# Altium PCB praxis_top_level_pcbdoc_v3.PcbDoc (part 3 of 4)
Units mm, origin at the board's own origin, x right, y up, seen from the top; angles counter-clockwise.
Board outline 152.4 x 79.5 mm, 4 copper layers (Top Layer, Int1 (GND), Int2 (PWR), Bottom Layer), stack 1.584 mm thick; 306 components, 267 nets, 1032 pads, 529 vias.
Unrouted connection lines stored in the file: 1.
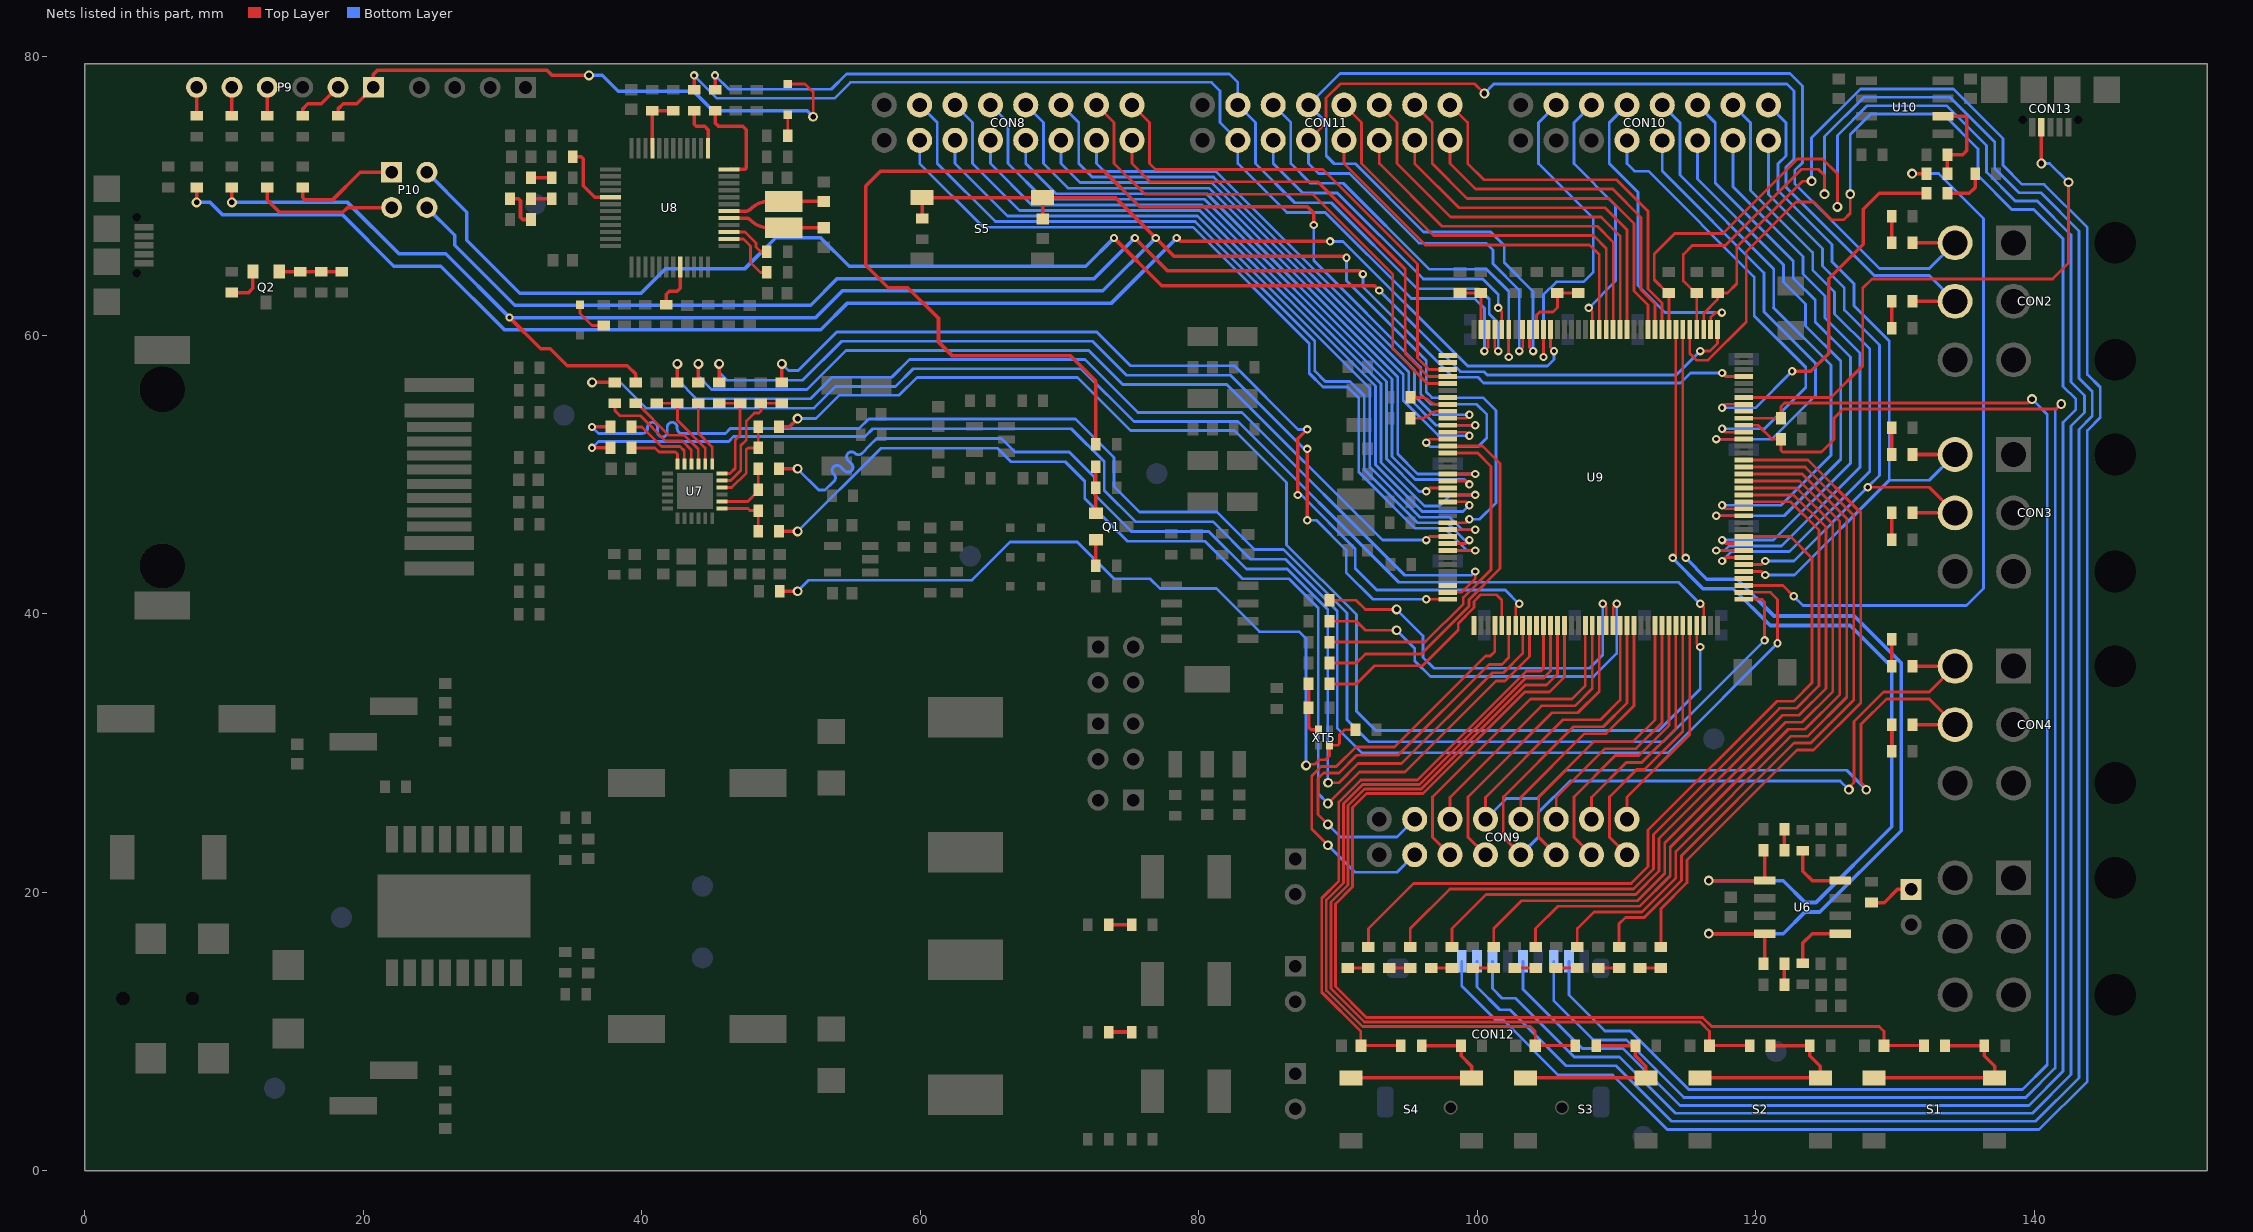
[diagram p5: the nets of this part, all layers, seen from the top]

## Via types
v1: diameter 0.711, hole 0.4, Top Layer to Bottom Layer, 169 vias
v2: diameter 0.6, hole 0.3, Top Layer to Bottom Layer, 83 vias
v3: diameter 1.27, hole 0.711, Top Layer to Bottom Layer, 68 vias
v4: diameter 0.6, hole 0.3, Top Layer to Bottom Layer, tented both sides, 50 vias
v5: diameter 1.27, hole 0.711, Top Layer to Bottom Layer, tented top, 43 vias
v6: diameter 0.9, hole 0.45, Top Layer to Bottom Layer, 39 vias
v7: diameter 0.4, hole 0.3, Top Layer to Bottom Layer, 32 vias
v8: diameter 0.6, hole 0.3, Top Layer to Bottom Layer, tented top, 17 vias
v9: diameter 0.711, hole 0.4, Top Layer to Bottom Layer, tented top, 8 vias
v10: diameter 0.711, hole 0.4, Top Layer to Bottom Layer, tented both sides, 6 vias
v11: diameter 0.5, hole 0.2, Top Layer to Bottom Layer, tented both sides, 4 vias
v12: diameter 0.5, hole 0.2, Top Layer to Bottom Layer, 4 vias
v13: diameter 5, hole 3, Top Layer to Bottom Layer, 4 vias
v14: diameter 0.711, hole 0.4, Top Layer to Bottom Layer, tented bottom, 1 vias
v15: diameter 0.9, hole 0.45, Top Layer to Bottom Layer, tented both sides, 1 vias

## Nets (pads, with @x,y where several pads share a name; then routed paths per layer and width w, separated by ;. In a path a pad name is that pad's centre, name@x,y a point inside that pad or via, vN(x,y) a via of type N, cw(c..) or ccw(c..) an arc to the next point about the centre after c; other vN are vias at no path point) (continued)
NetD9_1: D9.1 R11.1 | length 1.6
  Top Layer w0.254: D9.1@73.525,17.655 R11.1@75.17,17.655
NetD10_1: D10.1 R12.1 | length 1.6
  Top Layer w0.254: D10.1@73.525,9.95 R12.1@75.17,9.95
NetD12_2: D12.2 R20.1 | length 1.9
  Top Layer w0.254: R20.1@129.747,60.5 D12.2@129.747,62.424
NetD13_2: D13.2 R21.1 | length 1.9
  Top Layer w0.254: D13.2@129.747,66.624 R21.1@129.747,68.548
NetD14_2: D14.2 R22.1 | length 1.9
  Top Layer w0.254: R22.1@129.747,45.3 D14.2@129.747,47.224
NetD15_2: D15.2 R23.1 | length 1.9
  Top Layer w0.254: D15.2@129.747,51.424 R23.1@129.747,53.348
NetD16_2: D16.2 R24.1 | length 1.9
  Top Layer w0.254: R24.1@129.747,30.1 D16.2@129.747,32.024
NetD17_2: D17.2 R25.1 | length 1.9
  Top Layer w0.254: D17.2@129.747,36.224 R25.1@129.747,38.148
NetD18_2: D18.2 R30.1 | length 1.5
  Top Layer w0.254: R30.1@122.046,13.342 D18.2@122.046,14.842
NetD19_2: D19.2 R31.1 | length 1.5
  Top Layer w0.254: D19.2@122.046,23.005 R31.1@122.046,24.505
NetD20_2: D20.2 R56.2 | length 2.7
  Top Layer w0.2: D20.2@35.55,62.183 35.55,61.55 36.417,60.683 R56.2@37.25,60.683
NetD21_1: D21.1 J16.1 | length 2.8
  Top Layer w0.254: D21.1@30.531,69.8 31.132,69.8 31.281,69.651 31.281,68.449 31.43,68.3 J16.1@32.031,68.3
NetD21_2: D21.2 R59.2 | length 1.5
  Top Layer w0.254: D21.2@32.031,69.8 R59.2@33.525,69.8
NetD22_1: D22.1 R65.1 | length 1.5
  Top Layer w0.254: D22.1@32.031,71.3 R65.1@33.525,71.3
NetD23_1: D23.1 P9.1 R71.2 | length 41.5
  Top Layer w0.2: D23.1@50.467,78.03 51.72,78.03 52.3,77.45 v1(52.3,75.675)
  Top Layer w0.254: R71.2@18.18,75.75 18.18,76.24 18.54,76.6 19.52,76.6 P9.1@20.72,77.8 20.72,78.72 21.031,79.031 33.157,79.031 33.538,78.65 v1(36.2,78.65)
  Bottom Layer w0.254: v1(36.2,78.65) 37.15,78.65 38.3,77.5 43.7,77.5 45.1,76.1 51.875,76.1 v1(52.3,75.675)
NetD23_2: D23.2 R70.2 | length 1.5
  Top Layer w0.2: R70.2@50.467,74.3 D23.2@50.467,75.83
NetD24_1: D24.1 R76.2 | length 1.5
  Top Layer w0.2: D24.1@93.675,14.55 R76.2@95.175,14.55
NetD25_1: D25.1 R77.2 | length 1.5
  Top Layer w0.2: D25.1@96.675,14.55 R77.2@98.175,14.55
NetD26_1: D26.1 R78.2 | length 1.5
  Top Layer w0.2: D26.1@99.675,14.55 R78.2@101.175,14.55
NetD27_1: D27.1 R79.2 | length 1.5
  Top Layer w0.2: D27.1@102.675,14.55 R79.2@104.175,14.55
NetD28_1: D28.1 R80.2 | length 1.5
  Top Layer w0.2: D28.1@105.675,14.55 R80.2@107.175,14.55
NetD29_1: D29.1 R81.2 | length 1.5
  Top Layer w0.2: D29.1@108.675,14.55 R81.2@110.175,14.55
NetD30_1: D30.1 R82.2 | length 1.5
  Top Layer w0.2: D30.1@111.675,14.55 R82.2@113.175,14.55
NetD31_1: D31.1 R83.2 | length 1.5
  Top Layer w0.2: D31.1@90.675,14.55 R83.2@92.175,14.55
NetJ7_2: J7.2 U6.5 | length 4.4
  Top Layer w0.254: J7.2@123.375,14.88 123.375,16.342 124.051,17.019 U6.5@126.046,17.019
NetJ8_2: J8.2 R32.1 U7.12 | length 7.4
  Top Layer w0.2: J8.2@45.55,55.1 R32.1@47.05,55.1 47.05,52.817 46.7,52.467 46.7,50.435 46.315,50.05 U7.12@45.75,50.05
NetJ9_2: J9.2 U7.13 | length 4.8
  Top Layer w0.2: J9.2@44.05,55.1 44.05,52.95 45.044,51.956 U7.13@45.044,50.756
NetJ10_2: J10.2 U7.15 | length 6.9
  Top Layer w0.2: J10.2@39.55,55.1 39.65,55.1 41.95,52.8 43.069,52.8 44.044,51.825 U7.15@44.044,50.756
NetJ11_2: J11.2 U7.16 | length 8.2
  Top Layer w0.2: J11.2@38.05,55.1 38.058,55.092 38.058,54.567 38.421,54.204 39.896,54.204 41.7,52.4 42.903,52.4 43.544,51.759 U7.16@43.544,50.756
NetJ12_2: J12.2 U7.17 | length 5.4
  Top Layer w0.2: J12.2@39.25,53.4 40,53.4 41.4,52 42.737,52 43.044,51.693 U7.17@43.044,50.756
NetJ13_2: J13.2 U7.18 | length 4.2
  Top Layer w0.2: J13.2@39.25,51.9 40.934,51.9 41.234,51.6 42.4,51.6 42.55,51.45 U7.18@42.55,50.75
NetJ14_2: J14.2 R51.2 U7.10 | length 6.3
  Top Layer w0.2: U7.10@45.75,49.05 46.447,49.05 47.5,50.103 47.5,51.783 47.617,51.9 R51.2@48.35,51.9 J14.2@48.35,53.4
NetJ17_1: J17.1 U8.12 | length 7.3
  Top Layer w0.254: J17.1@45.25,76.117 45.25,75.25 45.5,75 47.25,75 47.5,74.75 47.5,72 47.4,71.9 U8.12@46.267,71.9
NetJ18_1: J18.1 U8.13 | length 3.5
  Top Layer w0.254: J18.1@43.75,76.117 43.75,75.149 43.899,75 44.5,75 44.75,74.75 U8.13@44.75,73.417
NetJ20_1: J20.1 J21.2 U8.21 | length 4.2
  Top Layer w0.254: U8.21@40.75,73.417 J20.1@40.75,76.117 J21.2@42.25,76.117
NetJ23_2: J23.2 P10.1 | length 8
  Top Layer w0.254: J23.2@15.64,70.6 15.64,69.86 15.8,69.7 17.775,69.7 19.77,71.695 P10.1@22.025,71.695
NetJ24_2: J24.2 P10.3 | length 10.3
  Top Layer w0.254: J24.2@13.1,70.6 13.1,69.7 13.979,68.821 18.521,68.821 18.855,69.155 P10.3@22.025,69.155
NetJ38_2: J38.2 R84.1 XT5.1 | length 3.9
  Top Layer w0.254: J38.2@87.875,34.95 R84.1@87.875,33.25 87.875,31.85 88.075,31.65 XT5.1@88.575,31.65
NetJ40_2: J40.2 R107.2 U10.2 | length 7
  Top Layer w0.254: U10.2@133.437,75.715 135.001,75.715 135.15,75.566 135.15,73.25 134.85,72.95 R107.2@133.75,72.95 J40.2@133.75,71.6
NetP7_1: P7.1 R27.1 | length 3.2
  Top Layer w0.254: R27.1@128.3,19.244 129.219,19.244 130.169,20.194 P7.1@131.15,20.194
NetP9_2: P9.2 R72.2 | length 3.7
  Top Layer w0.254: R72.2@15.64,75.75 15.64,76.24 16,76.6 16.98,76.6 P9.2@18.18,77.8
NetP9_4: P9.4 R73.2 | length 2.1
  Top Layer w0.254: R73.2@13.1,75.75 P9.4@13.1,77.8
NetP9_5: P9.5 R74.2 | length 2.1
  Top Layer w0.254: R74.2@10.56,75.75 P9.5@10.56,77.8
NetP9_6: P9.6 R75.2 | length 2.1
  Top Layer w0.254: R75.2@8.02,75.75 P9.6@8.02,77.8
NetQ1_1: Q1.1 R15.1 R17.2 | length 3.4
  Top Layer w0.254: Q1.1@72.6,47.2 R17.2@72.6,49.05 R15.1@72.6,50.55
NetQ1_2: Q1.2 R16.2 | length 1.9
  Top Layer w0.254: R16.2@72.6,43.45 Q1.2@72.6,45.3
NetQ2_1: Q2.1 R63.1 R64.1 R69.2 | length 4.5
  Top Layer w0.254: Q2.1@13.96,64.55 R63.1@15.46,64.55 R69.2@16.96,64.55 R64.1@18.46,64.55
NetQ2_2: Q2.2 R68.1 | length 2.8
  Top Layer w0.254: R68.1@10.56,63.05 11.75,63.05 12.06,63.36 Q2.2@12.06,64.55
NetR26_1: R26.1 U6.8 | length 4.4
  Top Layer w0.254: R26.1@123.375,22.967 123.375,21.505 124.051,20.829 U6.8@126.046,20.829
NetR33_1: R33.1 R44.1 U7.14 | length 6.7
  Top Layer w0.2: R33.1@41.05,55.1 R44.1@42.55,55.1 42.55,53.884 44.544,51.89 U7.14@44.544,50.756
NetR34_1: R34.1 R43.1 U7.11 | length 8.8
  Top Layer w0.2: U7.11@45.75,49.55 46.381,49.55 47.1,50.269 47.1,52.066 47.5,52.466 47.5,53.826 48.074,54.4 48.4,54.4 48.55,54.55 R34.1@48.55,55.1 R43.1@50.05,55.1
NetR35_1: R35.1 R42.2 U7.8 | length 4.5
  Top Layer w0.2: U7.8@45.75,48.05 47.6,48.05 48.35,48.8 R42.2@48.35,50.4
NetR36_1: R36.1 R41.1 U7.7 | length 4.2
  Top Layer w0.2: U7.7@45.75,47.55 47.6,47.55 47.75,47.4 R36.1@48.35,47.4 R41.1@48.35,45.9
NetR55_2: R55.2 U8.44 | length 3.4
  Top Layer w0.254: R55.2@41.75,62.183 41.75,62.925 41.975,63.15 42.525,63.15 42.75,63.375 U8.44@42.75,64.883
NetR60_2: R60.2 U8.2 | length 4.4
  Top Layer w0.2: U8.2@46.267,66.9 47.3,66.9 47.8,66.4 47.8,65.217 48.517,64.5 R60.2@48.967,64.5
NetR61_1: R61.1 U8.3 | length 3.4
  Top Layer w0.2: U8.3@46.267,67.4 47.4,67.4 48.2,66.6 48.2,66.317 48.517,66 R61.1@48.967,66
NetR67_2: R67.2 U8.29 | length 5
  Top Layer w0.254: R67.2@35.025,72.8 35.626,72.8 35.775,72.651 35.775,70.731 36.606,69.9 U8.29@37.733,69.9
NetR98_2: R98.2 R99.2 S1.1 S1.2 | length 14.1
  Top Layer w0.254: S1.1@128.497,6.653 S1.2@137.147,6.653 137.147,7.498 136.397,8.248 R99.2@136.397,8.975 R98.2@133.572,8.975
NetR100_2: R100.2 R101.2 S2.1 S2.2 | length 14.1
  Top Layer w0.254: S2.1@115.973,6.653 S2.2@124.623,6.653 124.623,7.498 123.873,8.248 R101.2@123.873,8.975 R100.2@121.048,8.975
NetR102_2: R102.2 R103.2 S3.1 S3.2 | length 14.1
  Top Layer w0.254: S3.1@103.45,6.653 S3.2@112.1,6.653 112.1,7.498 111.35,8.248 R103.2@111.35,8.975 R102.2@108.525,8.975
NetR104_2: R104.2 R105.2 S4.1 S4.2 | length 14.1
  Top Layer w0.254: S4.1@90.927,6.653 S4.2@99.577,6.653 99.577,7.498 98.827,8.248 R105.2@98.827,8.975 R104.2@96.002,8.975
NRTS: C71.2 J10.1 J25.2 R106.1 S5.1 S5.2 U9.25 | length 154.1
  Top Layer w0.2: U9.25@97.875,46.525 99.175,46.525 v4(99.425,46.775)
  Top Layer w0.254: v1(10.56,69.525) J25.2@10.56,70.6 ; v2(30.493,61.257) 32.725,59.025 33.425,59.025 34.65,57.8 38.951,57.8 39.55,57.201 J10.1@39.55,56.6 ; R106.1@60.124,68.375 S5.1@60.124,69.875 S5.2@68.774,69.875 ; S5.2@67.974,69.875 74,69.875 ; C71.2@68.774,68.325 S5.2@68.774,69.875 ; v2(90.6,65.55) 90.486,65.664 78.21,65.664 v2(76.9,66.975) 74,69.875 ; S5.2@68.774,69.875 74,69.875
  Bottom Layer w0.2: v2(90.6,65.55) 90.6,63.9 96.325,58.175 96.325,55.922 96.743,55.504 100.396,55.504 101.325,54.575 101.325,47.95 100.15,46.775 v4(99.425,46.775)
  Bottom Layer w0.254: v1(10.56,69.525) 18.86,69.525 22.552,65.833 25.917,65.833 v2(30.493,61.257) 52.478,61.257 54.4,63.179 73.104,63.179 v2(76.9,66.975)
OSC_25M: R45.2 R88.1 XT5.3 | length 56.7
  Top Layer w0.2: v1(87.7,29.1) 87.786,29.186 88.356,29.186 88.669,29.5 89.1,29.5 89.375,29.775 XT5.3@89.375,30.55 89.983,30.55 90.1,30.667 90.1,31.3 90.45,31.65 R88.1@91.25,31.65
  Top Layer w0.254: R45.2@49.9,41.6 v1(51.182,41.6)
  Bottom Layer w0.2: v1(51.182,41.6) 51.982,42.4 63.7,42.4 66.433,45.133 71.267,45.133 73.9,42.5 76.5,42.5 77.2,41.8 81.25,41.8 84.35,38.7 87.2,38.7 87.7,38.2 v1(87.7,29.1)
OSC_IN: C34.2 U8.5 XT2.2 | length 7
  Top Layer w0.254: U8.5@46.267,68.4 47.438,68.4 cw(c47.438,67.888) 47.8,68.25 ccw(c49.14,69.59) 49.14,67.695 50.175,67.695 50.185,67.705 C34.2@53.075,67.705
OSC_OUT: C35.2 U8.6 XT2.1 | length 7
  Top Layer w0.254: U8.6@46.267,68.9 47.438,68.9 ccw(c47.438,69.412) 47.8,69.05 cw(c49.14,67.71) 49.14,69.605 XT2.1@50.175,69.605 C35.2@53.075,69.605
OTG_FS_VB: J42.1 R85.1 | length 3.2
  Top Layer w0.254: R85.1@133.75,70.175 135.325,70.175 135.75,70.6 J42.1@135.75,71.6
PDR_ON: R86.1 R89.2 U9.143 | length 4.1
  Top Layer w0.2: R89.2@98.75,63.025 R86.1@100.25,63.025 U9.143@100.25,60.4
Port_A0: U9.34
Port_A1: R44.2 U9.35 | length 70.9
  Top Layer w0.2: U9.35@97.875,41.525 98.85,41.525 99.85,42.525 v4(99.85,43.025)
  Top Layer w0.254: R44.2@42.55,56.6 v1(42.55,57.932)
  Bottom Layer w0.2: v1(42.55,57.932) 42.55,56.8 43.93,55.42 52.087,55.42 53.642,56.975 57.944,56.975 59.211,58.242 71.813,58.242 75.613,54.442 83.087,54.442 94.781,42.748 99.573,42.748 v4(99.85,43.025)
Port_A2: J8.1 U9.36 | length 67.3
  Top Layer w0.2: v2(96.325,41.025) U9.36@97.875,41.025
  Top Layer w0.254: J8.1@45.55,56.6 v1(45.55,57.932) ; v8(87.775,46.7) v8(87.775,51.828)
  Bottom Layer w0.2: v1(45.55,57.932) 45.55,57.305 46.101,56.754 51.544,56.754 54.349,59.56 72.359,59.56 74.802,57.116 82.276,57.116 87.564,51.828 v8(87.775,51.828) ; v8(87.775,46.7) 88.445,46.7 90.575,44.57 90.575,42.95 92.5,41.025 v2(96.325,41.025)
Port_A3: U9.37
Port_A4: CON9.10 U9.40 | length 31.7
  Top Layer w0.2: v1(89.266,23.36) 88.1,24.525 88.1,28.336 88.772,29.008 89.863,29.008 91.28,30.425 94.054,30.425 100.579,36.95 100.925,36.95 101.25,37.275 U9.40@101.25,39.15
  Bottom Layer w0.2: v1(89.266,23.36) 91.2,21.425 94.235,21.425 CON9.10@95.495,22.685
Port_A5: J38.1 U9.41 | length 17.6
  Top Layer w0.2: J38.1@89.375,34.95 91.3,34.95 92.6,36.25 96.05,36.25 98.625,38.825 98.625,39.299 99.752,40.426 99.752,40.877 100.229,41.354 101.371,41.354 101.75,40.975 U9.41@101.75,39.15
Port_A6: CON9.7 U9.42 | length 30.3
  Top Layer w0.2: v1(89.266,24.86) 88.55,25.575 88.55,28.15 88.958,28.558 90.049,28.558 91.316,29.825 94.303,29.825 100.828,36.35 101.761,36.35 102.25,36.839 U9.42@102.25,39.15
  Bottom Layer w0.2: v1(89.266,24.86) 90.175,23.95 94.22,23.95 CON9.7@95.495,25.225
Port_A7: R43.2 U9.43 | length 69.9
  Top Layer w0.2: U9.43@102.75,39.15 102.75,40.45 v4(103,40.7)
  Top Layer w0.254: R43.2@50.05,56.6 v1(50.05,57.932) ; v8(87.094,48.513) 87.094,52.544 v8(87.775,53.225)
  Bottom Layer w0.2: v1(50.05,57.932) 50.528,57.454 51.229,57.454 53.993,60.218 72.661,60.218 75.084,57.796 82.557,57.796 87.128,53.225 v8(87.775,53.225) ; v8(87.094,48.513) 87.362,48.513 91.225,44.65 91.225,43.25 92.775,41.7 102,41.7 v4(103,40.7)
Port_A8: U9.100
Port_A9: R85.2 U9.101 | length 27.3
  Top Layer w0.2: v4(117.575,54.775) 117.825,55.025 U9.101@119.125,55.025
  Top Layer w0.254: v2(122.6,57.4) 123.95,57.4 125.225,58.675 125.225,64.05 127.7,66.525 127.7,69.025 128.85,70.175 R85.2@132.25,70.175
  Bottom Layer w0.2: v4(117.575,54.775) 119.975,54.775 v2(122.6,57.4)
Port_A10: CON13.4 U9.102 | length 41.5
  Top Layer w0.2: U9.102@119.125,55.523 125.398,55.523 127.675,57.8 127.675,63.375 128.328,64.028 141.311,64.028 142.446,65.163 v1(142.446,70.972)
  Top Layer w0.254: v1(140.5,72.321) CON13.4@140.5,74.929
  Bottom Layer w0.2: v1(140.5,72.321) 141.096,72.321 v1(142.446,70.972)
Port_A13: P10.4 U9.105 | length 105.2
  Top Layer w0.2: v4(117.575,57.275) 117.825,57.025 U9.105@119.125,57.025
  Top Layer w0.254: v2(75.4,66.975) 77.771,64.604 91.546,64.604 v2(91.775,64.375)
  Bottom Layer w0.2: v2(91.775,64.375) 91.775,63.45 98.254,56.971 100.029,56.971 100.45,56.55 114.575,56.55 115.3,57.275 v4(117.575,57.275)
  Bottom Layer w0.254: P10.4@24.565,69.155 26.55,67.17 26.55,66.443 30.857,62.136 52.114,62.136 54.036,64.058 72.483,64.058 v2(75.4,66.975)
Port_A14: P10.2 U9.109 | length 106.8
  Top Layer w0.2: v4(116,58.85) 116.7,58.85 117.25,59.4 U9.109@117.25,60.4
  Top Layer w0.254: v2(73.9,66.975) 77.332,63.543 92.607,63.543 v2(92.95,63.2)
  Bottom Layer w0.2: v2(92.95,63.2) 98.779,57.371 100.458,57.371 100.704,57.125 114.275,57.125 v4(116,58.85)
  Bottom Layer w0.254: P10.2@24.565,71.695 27.429,68.831 27.429,66.807 31.221,63.015 39.933,63.015 41.668,64.75 47.368,64.75 49.618,67 52.825,67 54.888,64.937 71.862,64.937 v2(73.9,66.975)
Port_A15: CON10.5 U9.110 | length 23
  Top Layer w0.2: U9.110@116.75,60.4 116.75,61.251 117.113,61.614 v2(117.554,61.614)
  Bottom Layer w0.2: CON10.5@110.735,76.515 109.47,75.25 109.47,72.308 111.525,70.253 111.525,63.55 113.461,61.614 v2(117.554,61.614)
Port_B0: U9.46
Port_B1: C70.2 R104.1 U9.47 | length 43.8
  Top Layer w0.2: R104.1@94.502,8.975 C70.2@91.627,8.975 91.627,10 88.823,12.804 88.823,19.56 90.048,20.785 90.048,26.476 91.628,28.056 95.694,28.056 103.513,35.875 104.551,35.875 104.75,36.074 U9.47@104.75,39.15
Port_B2: C69.2 R102.1 U9.48 | length 56.1
  Top Layer w0.2: U9.48@105.25,39.15 105.25,35.867 104.758,35.375 103.475,35.375 95.829,27.729 91.764,27.729 90.375,26.34 90.375,20.65 89.15,19.425 89.15,12.939 91.743,10.346 103.804,10.346 104.15,10 C69.2@104.15,8.975 R102.1@107.025,8.975
Port_B3: J26.2 U9.133 | length 111.3
  Top Layer w0.2: U9.133@105.25,60.4 105.25,59.1 v4(105.5,58.85)
  Top Layer w0.254: v1(8.02,69.525) J26.2@8.02,70.6 ; v2(78.4,66.975) 78.65,66.725 v2(89.425,66.725)
  Bottom Layer w0.2: v2(89.425,66.725) 90.35,66.725 99.304,57.771 105.021,57.771 105.5,58.25 v4(105.5,58.85)
  Bottom Layer w0.254: v1(8.02,69.525) 9,69.525 9.879,68.646 18.496,68.646 22.188,64.954 25.553,64.954 30.129,60.378 52.843,60.378 54.765,62.3 73.725,62.3 v2(78.4,66.975)
Port_B4: CON10.7 U9.134 | length 24.8
  Top Layer w0.2: v4(104.75,58.425) U9.134@104.75,60.4
  Bottom Layer w0.2: v4(104.75,58.425) 104.75,62.9 105.675,63.825 107.612,63.825 108.325,64.538 108.325,68.373 104.39,72.308 104.39,75.25 CON10.7@105.655,76.515
Port_B5: R91.1 R97.1 U9.135 | length 5.3
  Top Layer w0.2: U9.135@104.25,60.4 104.25,61.425 104.475,61.65 105.425,61.65 105.75,61.975 R97.1@105.75,63.025 R91.1@107.25,63.025
Port_B6: CON2.4 CON11.5 D13.1 U9.136 | length 91.6
  Top Layer w0.2: U9.136@103.75,60.4 103.75,59.1 v4(104,58.85)
  Top Layer w0.254: D13.1@131.247,66.624 CON2.4@134.3,66.624
  Bottom Layer w0.2: v4(104,58.85) 104,63.125 101.925,65.2 101.925,66.431 100.956,67.4 96.132,67.4 91.232,72.3 89.715,72.3 89.14,72.875 89.14,75.26 CON11.5@87.875,76.525 90.125,78.775 122.45,78.775 123.35,77.875 123.35,72.375 122.785,71.81 122.785,70.872 128.884,64.773 132.449,64.773 CON2.4@134.3,66.624
Port_B7: CON2.5 CON11.12 D12.1 U9.137 | length 91.3
  Top Layer w0.2: CON11.12@87.875,73.985 89.129,75.239 89.129,77.013 90.166,78.05 99.8,78.05 v1(100.5,77.35) ; v4(103,58.85) 103.25,59.1 U9.137@103.25,60.4
  Top Layer w0.254: D12.1@131.247,62.424 CON2.5@134.3,62.424
  Bottom Layer w0.2: CON11.12@87.875,73.985 87.875,72.319 88.594,71.6 90.801,71.6 95.801,66.6 100.625,66.6 101.125,66.1 101.125,65.125 103,63.25 v4(103,58.85) ; v1(100.5,77.35) 101.175,78.025 122.225,78.025 122.725,77.525 122.725,72.634 122.16,72.068 122.16,70.614 128.498,64.275 132.449,64.275 CON2.5@134.3,62.424
Port_B8: CON11.6 U9.139 | length 30.9
  Top Layer w0.2: v4(102.25,58.425) U9.139@102.25,60.4
  Bottom Layer w0.2: CON11.6@85.335,76.525 86.6,75.26 86.6,72.319 88.019,70.9 90.369,70.9 96.548,64.721 100.674,64.721 102.25,63.145 v4(102.25,58.425)
Port_B9: CON11.11 U9.140 | length 24.3
  Top Layer w0.2: v2(101.5,61.95) 101.75,61.7 U9.140@101.75,60.4
  Bottom Layer w0.2: CON11.11@85.335,73.985 85.335,72.319 87.454,70.2 89.938,70.2 96.117,64.021 100.384,64.021 101.5,62.905 v2(101.5,61.95)
Port_B10: J14.1 U9.69 | length 90.7
  Top Layer w0.2: U9.69@115.75,39.15 115.75,37.85 v2(116,37.6)
  Top Layer w0.254: J14.1@49.85,53.4 50.582,53.4 v1(51.182,54)
  Bottom Layer w0.2: v1(51.182,54) 52.495,54 54.178,55.683 58.479,55.683 59.746,56.95 71.278,56.95 75.078,53.15 82.552,53.15 86.3,49.401 86.3,44.938 91.312,39.926 91.312,32.988 92.7,31.6 113.019,31.6 116,34.581 v2(116,37.6)
Port_B11: J11.1 U9.70 | length 91.8
  Top Layer w0.2: v4(116,40.7) 116.25,40.45 U9.70@116.25,39.15
  Top Layer w0.254: v1(36.418,56.6) J11.1@38.05,56.6
  Bottom Layer w0.2: v1(36.418,56.6) 38.45,56.6 40.3,54.75 52.349,54.75 53.915,56.316 58.216,56.316 59.484,57.584 71.541,57.584 75.341,53.784 82.814,53.784 94.35,42.247 114.453,42.247 v4(116,40.7)
Port_B12: J12.1 U9.73 | length 111.3
  Top Layer w0.2: U9.73@119.125,41.025 120.425,41.025 120.625,40.825 v2(120.625,38.075)
  Top Layer w0.254: v2(36.418,53.4) J12.1@37.75,53.4
  Bottom Layer w0.2: v2(36.418,53.4) 36.879,52.939 39.952,52.939 40.052,52.939 ccw(c40.052,53.293) 40.406,53.293 40.406,53.383 cw(c40.76,53.383) 41.114,53.383 41.114,53.042 ccw(c41.468,53.042) 41.822,53.042 41.822,53.383 cw(c42.176,53.383) 42.53,53.383 42.53,53.293 ccw(c42.884,53.293) 42.884,52.939 43.518,52.939 45.996,52.939 46.347,53.29 55.603,53.29 56.287,53.975 71.125,53.975 73.9,51.2 73.9,49.125 75.725,47.3 81.29,47.3 83.99,44.6 86.072,44.6 90.626,40.046 90.626,32.374 92.2,30.8 113.35,30.8 v2(120.625,38.075)
Port_B13: J13.1 U9.74 | length 111.9
  Top Layer w0.2: U9.74@119.125,41.525 121.042,41.525 121.55,41.017 v2(121.55,37.869)
  Top Layer w0.254: v2(36.418,51.9) J13.1@37.75,51.9
  Bottom Layer w0.2: v2(36.418,51.9) 36.879,52.361 46.236,52.361 46.587,52.712 56.014,52.712 56.577,53.275 70.835,53.275 73.2,50.91 73.2,48.835 75.435,46.6 81,46.6 83.7,43.9 86.206,43.9 89.94,40.167 89.94,31.76 91.7,30 113.681,30 v2(121.55,37.869)
Port_B14: J40.1 U9.75 | length 52.4
  Top Layer w0.2: U9.75@119.125,42.025 121.934,42.025 v2(122.712,41.247)
  Top Layer w0.254: v1(131.218,71.6) J40.1@132.25,71.6
  Bottom Layer w0.2: v2(122.712,41.247) 123.384,40.575 135.112,40.575 136.35,41.813 136.35,68.375 133.125,71.6 v1(131.218,71.6)
Port_B15: U9.76
Port_C0: CON8.11 U9.26 | length 55.2
  Top Layer w0.2: U9.26@97.875,46.025 v4(99.85,46.025)
  Bottom Layer w0.2: CON8.11@62.485,73.985 62.485,72.319 66.254,68.55 79.898,68.55 92.275,56.173 92.275,50.519 95.873,46.921 97.996,46.921 98.892,46.025 v4(99.85,46.025)
Port_C1: J9.1 U9.27 | length 63.3
  Top Layer w0.2: v2(96.325,45.275) 96.575,45.525 U9.27@97.875,45.525
  Top Layer w0.254: J9.1@44.05,56.6 v1(44.05,57.932)
  Bottom Layer w0.2: v1(44.05,57.932) 44.05,57.05 45.01,56.09 51.844,56.09 54.654,58.901 72.086,58.901 74.529,56.458 82.003,56.458 93.185,45.275 v2(96.325,45.275)
Port_C2: CON8.7 U9.28 | length 60.1
  Top Layer w0.2: U9.28@97.875,45.025 99.175,45.025 v4(99.425,45.275)
  Bottom Layer w0.2: CON8.7@59.945,76.525 61.211,75.26 61.211,72.319 65.379,68.15 79.733,68.15 88.325,59.558 88.325,57.425 89.075,56.675 90.841,56.675 91.875,55.641 91.875,50.353 95.707,46.521 97.83,46.521 99.076,45.275 v4(99.425,45.275)
Port_C3: CON8.10 U9.29 | length 59.4
  Top Layer w0.2: U9.29@97.875,44.525 v4(99.85,44.525)
  Bottom Layer w0.2: CON8.10@59.945,73.985 59.945,72.319 64.514,67.75 79.567,67.75 87.925,59.392 87.925,57.259 88.909,56.275 90.675,56.275 91.475,55.475 91.475,50.175 95.529,46.121 97.654,46.121 99.25,44.525 v4(99.85,44.525)
Port_C4: R42.1 U9.44 | length 82.1
  Top Layer w0.2: v1(89.277,27.848) 90.047,27.848 91.424,29.225 94.551,29.225 101.076,35.75 101.868,35.75 103.25,37.132 U9.44@103.25,39.15
  Top Layer w0.254: R42.1@49.871,50.4 v1(51.182,50.4)
  Bottom Layer w0.2: v1@51.182,50.379 52.695,48.866 53.158,48.866 53.726,49.434 53.797,49.505 ccw(c53.547,49.755) 53.797,50.006 53.762,50.04 cw(c54.012,50.291) 53.762,50.541 cw(c54.012,50.291) 54.263,50.541 54.548,50.256 ccw(c54.798,50.506) 55.048,50.256 ccw(c54.798,50.506) 55.048,50.757 54.798,51.007 cw(c55.048,51.257) 54.798,51.508 cw(c55.048,51.257) 55.299,51.508 ccw(c55.549,51.758) 55.799,51.507 56.386,52.094 56.867,52.575 65.825,52.575 66.8,51.6 70.69,51.6 72.5,49.79 72.5,48.545 75.145,45.9 80.71,45.9 83.41,43.2 86.341,43.2 89.254,40.287 89.254,27.872 v1(89.277,27.848)
Port_C5: R41.2 U9.45 | length 82.1
  Top Layer w0.2: v1(89.266,26.36) 91.531,28.625 94.8,28.625 101.325,35.15 101.975,35.15 103.75,36.925 U9.45@103.75,39.15
  Top Layer w0.254: R41.2@49.85,45.9 v1(51.182,45.9)
  Bottom Layer w0.2: v1(51.182,45.9) 57.157,51.875 65.535,51.875 66.51,50.9 70.4,50.9 71.8,49.5 71.8,48.255 74.855,45.2 80.42,45.2 83.12,42.5 86.475,42.5 88.567,40.408 88.567,27.058 v1(89.266,26.36)
Port_C6: CON10.13 U9.96 | length 33.3
  Top Layer w0.2: v4(117.15,52.525) U9.96@119.125,52.525
  Bottom Layer w0.2: CON10.13@113.275,73.975 113.275,72.308 113.275,71.77 120.575,64.47 120.575,61.675 124.272,57.978 124.272,55.65 121.147,52.525 v4(117.15,52.525)
Port_C7: CON10.12 U9.97 | length 32.5
  Top Layer w0.2: v4(117.575,53.275) 117.825,53.025 U9.97@119.125,53.025
  Bottom Layer w0.2: CON10.12@110.735,73.975 110.735,72.308 111.273,71.77 112.285,71.77 119.875,64.18 119.875,61.385 123.575,57.685 123.575,56.225 120.625,53.275 v4(117.575,53.275)
Port_C8: CON12.7 R93.1 U9.98 | length 116.8
  Top Layer w0.2: U9.98@119.125,53.525 120.15,53.525 121.15,52.525 R93.1@121.8,52.525 121.8,51.717 121.917,51.6 124.7,51.6 125.6,52.5 125.6,54.025 126.266,54.691 141.566,54.691 v1(141.925,55.05)
  Bottom Layer w0.2: CON12.7@105.475,15.025 105.475,12.225 108.325,9.375 110.7,9.375 114.825,5.25 139.375,5.25 141.49,7.365 141.49,54.615 v1(141.925,55.05)
Port_C9: CON12.8 R92.1 U9.99 | length 110.3
  Top Layer w0.2: U9.99@119.125,54.025 R92.1@121.8,54.025 121.8,54.875 122.05,55.125 139.55,55.125 v1(139.825,55.4)
  Bottom Layer w0.2: CON12.8@106.575,15.025 106.575,12.6 109.15,10.025 110.975,10.025 115.18,5.82 139.139,5.82 140.92,7.601 140.92,54.305 v1(139.825,55.4)
Port_C10: CON12.1 R96.1 U9.111 | length 158.8
  Top Layer w0.2: U9.111@116.25,60.4 116.25,61.55 117.25,62.55 R96.1@117.25,63.025 117.961,63.025 118.625,63.689 118.625,66.325 123.35,71.05 v1(124,71.05)
  Bottom Layer w0.2: CON12.1@98.875,15.025 98.875,13.25 101.35,10.775 101.9,10.775 105.8,6.875 109.7,6.875 113.635,2.94 140.332,2.94 143.8,6.408 143.8,53.15 144.725,54.075 144.725,56.25 143.8,57.175 143.8,67.725 140.7,70.825 139.122,70.825 137.75,72.197 137.75,74.121 134.196,77.675 127.501,77.675 124,74.174 v1(124,71.05)
Port_C11: CON12.2 R95.1 U9.112 | length 160.7
  Top Layer w0.2: U9.112@115.75,60.4 R95.1@115.75,63.025 115.65,63.025 114.786,63.889 114.786,65.786 115.428,66.428 117.796,66.428 123.281,71.912 124.478,71.912 124.925,71.465 v1(124.925,70.125)
  Bottom Layer w0.2: CON12.2@99.975,15.025 99.975,13.175 101.6,11.55 102.35,11.55 106.375,7.525 109.95,7.525 113.935,3.54 140.083,3.54 143.2,6.657 143.2,53.225 144.15,54.175 144.15,55.95 143.2,56.9 143.2,67.476 140.451,70.225 138.874,70.225 137.15,71.949 137.15,73.872 133.947,77.075 127.75,77.075 124.925,74.25 v1(124.925,70.125)
Port_C12: CON12.5 U9.113 | length 154
  Top Layer w0.2: U9.113@115.25,60.4 115.25,58.675 115.729,58.196 116.571,58.196 119.3,60.925 119.3,65.975 122.875,69.55 124.175,69.55 125.45,68.275 126.3,68.275 126.775,68.75 v1(126.775,70.125)
  Bottom Layer w0.2: CON12.5@103.275,15.025 103.275,13.025 107.525,8.775 110.45,8.775 114.545,4.68 139.611,4.68 142.06,7.129 142.06,53.735 142.975,54.65 142.975,55.4 142.06,56.315 142.06,66.919 139.954,69.025 138.376,69.025 135.95,71.451 135.95,73.375 133.45,75.875 128.247,75.875 126.775,74.403 v1(126.775,70.125)
Port_C13: U9.7
Port_C14: J32.2 U9.8 | length 2.8
  Top Layer w0.2: J32.2@95.2,55.525 95.911,55.525 cw(c95.911,54.586) 96.575,55.25 ccw(c97.118,55.793) 97.118,55.025 U9.8@97.875,55.025
Port_C15: J36.2 U9.9 | length 2.8
  Top Layer w0.2: J36.2@95.2,54.025 95.911,54.025 ccw(c95.911,54.964) 96.575,54.3 cw(c97.118,53.757) 97.118,54.525 U9.9@97.875,54.525
Port_D0: D18.1 U6.4 U9.114 | length 70.2
  Top Layer w0.2: U9.114@114.75,60.4 114.75,44.205 v4(114.956,43.999)
  Top Layer w0.254: v1@116.612,17.019 U6.4@120.646,17.019 D18.1@120.646,14.842
  Bottom Layer w0.254: v4(114.956,43.999) 116.48,42.475 118.65,42.475 121.3,39.825 127.05,39.825 130.425,36.45 130.425,24.4 124.595,18.57 123.525,18.57 121.969,17.014 v1(116.612,17.014)
Port_D1: D19.1 U6.1 U9.115 | length 69.2
  Top Layer w0.2: v4(114.025,43.999) 114.25,44.224 U9.115@114.25,60.4
  Top Layer w0.254: v1@116.612,20.829 U6.1@120.646,20.829 D19.1@120.646,23.005
  Bottom Layer w0.254: v4(114.025,43.999) 114.025,43.967 116.198,41.794 118.368,41.794 121.018,39.144 126.768,39.144 129.744,36.168 129.744,24.682 124.312,19.251 123.525,19.251 121.952,20.824 v1(116.612,20.824)
Port_D2: CON12.3 R94.1 U9.116 | length 162
  Top Layer w0.2: U9.116@113.75,60.4 R94.1@113.75,63.025 113.65,63.025 112.7,63.975 112.7,65.825 114.175,67.3 117.625,67.3 122.975,72.65 124.783,72.65 125.85,71.583 v1(125.85,69.2)
  Bottom Layer w0.2: CON12.3@101.075,15.025 101.075,13.075 101.775,12.375 102.725,12.375 106.95,8.15 110.2,8.15 114.24,4.11 139.847,4.11 142.63,6.893 142.63,53.48 143.6,54.45 143.6,55.65 142.63,56.62 142.63,67.198 140.203,69.625 138.625,69.625 136.55,71.7 136.55,73.624 133.699,76.475 127.999,76.475 125.85,74.326 v1(125.85,69.2)
Port_D3: CON11.1 U9.117 | length 28
  Top Layer w0.2: CON11.1@98.035,76.525 99.3,75.26 99.3,72.319 100.469,71.15 109.995,71.15 112.25,68.894 112.25,63.301 113.25,62.301 U9.117@113.25,60.4
Port_D4: CON11.16 U9.118 | length 25.4
  Top Layer w0.2: CON11.16@98.035,73.985 98.035,72.319 99.872,70.482 109.718,70.482 111.75,68.45 111.75,63.235 112.75,62.235 U9.118@112.75,60.4
Port_D5: CON11.2 U9.119 | length 29
  Top Layer w0.2: CON11.2@95.495,76.525 96.76,75.26 96.76,72.319 99.265,69.814 109.441,69.814 111.25,68.006 111.25,63.169 112.25,62.169 U9.119@112.25,60.4
Port_D6: CON11.15 U9.122 | length 26.1
  Top Layer w0.2: CON11.15@95.495,73.985 95.495,72.319 98.667,69.146 109.165,69.146 110.75,67.561 U9.122@110.75,60.4
Port_D7: CON11.3 U9.123 | length 29.6
  Top Layer w0.2: CON11.3@92.955,76.525 94.22,75.26 94.22,72.319 98.06,68.479 108.888,68.479 110.25,67.117 U9.123@110.25,60.4
Port_D8: CON3.4 CON10.1 D15.1 U9.77 | length 52.9
  Top Layer w0.2: U9.77@119.125,43.025 120.425,43.025 v2(120.675,42.775)
  Top Layer w0.254: D15.1@131.247,51.424 CON3.4@134.3,51.424
  Bottom Layer w0.2: v2(120.675,42.775) 122.777,42.775 129.575,49.573 ; CON10.1@120.895,76.515 122.16,75.25 122.16,72.868 121.595,72.302 121.595,70.38 125.464,66.51 125.464,65.263 127.039,63.688 127.039,62.109 129.575,59.574 129.575,49.573 ; CON3.4@134.3,51.424 132.449,49.573 129.575,49.573
Port_D9: CON3.5 CON10.16 D14.1 U9.78 | length 49.9
  Top Layer w0.2: U9.78@119.125,43.525 120.425,43.525 v2(120.675,43.775) ; v2(128.025,49.075) 132.449,49.075 CON3.5@134.3,47.224
  Top Layer w0.254: D14.1@131.247,47.224 CON3.5@134.3,47.224
  Bottom Layer w0.2: v2(120.675,43.775) 122.725,43.775 v2(128.025,49.075) 128.878,49.928 128.878,59.281 126.35,61.809 126.35,63.387 124.775,64.962 124.775,66.21 120.895,70.09 120.895,72.308 CON10.16@120.895,73.975
Port_D10: CON10.2 U9.79 | length 45.3
  Top Layer w0.2: v4(117.575,43.775) 117.825,44.025 U9.79@119.125,44.025
  Bottom Layer w0.2: v4(117.575,43.775) 118.25,44.45 122.414,44.45 128.181,50.217 128.181,58.992 125.653,61.52 125.653,63.099 124.075,64.677 124.075,65.92 119.62,70.374 119.62,72.308 119.62,75.25 CON10.2@118.355,76.515
Port_D11: CON10.15 U9.80 | length 42
  Top Layer w0.2: v4(117.15,44.525) U9.80@119.125,44.525
  Bottom Layer w0.2: v4(117.15,44.525) 117.75,44.525 118.075,44.85 121.829,44.85 127.484,50.505 127.484,58.703 124.956,61.231 124.956,62.81 123.375,64.391 123.375,65.63 118.355,70.65 118.355,72.308 CON10.15@118.355,73.975
Port_D12: CON10.3 U9.81 | length 43.4
  Top Layer w0.2: v4(117.575,45.275) 117.825,45.025 U9.81@119.125,45.025
  Bottom Layer w0.2: CON10.3@115.815,76.515 117.08,75.25 117.08,72.308 117.08,70.934 122.675,65.34 122.675,64.106 124.259,62.521 124.259,60.943 126.787,58.415 126.787,50.794 121.268,45.275 v4(117.575,45.275)
Port_D13: R83.1 U9.82 | length 56.5
  Top Layer w0.2: R83.1@92.175,16.05 92.175,17.382 95.418,20.625 111.04,20.625 112.25,21.835 112.25,24.45 121.497,33.697 122.693,33.697 124.025,35.028 124.025,43.975 122.475,45.525 U9.82@119.125,45.525
Port_D14: CON10.14 U9.85 | length 39.7
  Top Layer w0.2: v4(117.15,47.025) U9.85@119.125,47.025
  Bottom Layer w0.2: CON10.14@115.815,73.975 115.815,72.308 115.815,71.21 121.975,65.05 121.975,63.82 123.562,62.233 123.562,60.654 126.091,58.126 126.091,51.083 122.033,47.025 v4(117.15,47.025)
Port_D15: CON10.4 U9.86 | length 41.1
  Top Layer w0.2: v4(117.575,47.775) 117.825,47.525 U9.86@119.125,47.525
  Bottom Layer w0.2: CON10.4@113.275,76.515 114.54,75.25 114.54,72.308 114.54,71.495 121.275,64.76 121.275,61.965 ; v4(117.575,47.775) 121.797,47.775 125.394,51.371 125.394,57.837 121.271,61.961
Port_E0: CON11.7 J17.2 U9.141 | length 72.5
  Top Layer w0.2: U9.141@101.25,60.4 101.25,59.1 v4(101.5,58.85)
  Top Layer w0.254: J17.2@45.25,77.617 v2(45.25,78.65)
  Bottom Layer w0.2: v2(45.25,78.65) 46.25,77.65 53.594,77.65 54.694,78.75 82.19,78.75 82.795,78.145 CON11.7@82.795,76.525 84.06,75.26 84.06,72.319 86.879,69.5 89.506,69.5 95.685,63.321 100.094,63.321 100.846,62.569 100.846,61.519 101.5,60.865 v4(101.5,58.85)
Port_E1: CON11.10 J18.2 U9.142 | length 72.7
  Top Layer w0.2: v4(100.5,58.85) 100.75,59.1 U9.142@100.75,60.4
  Top Layer w0.254: J18.2@43.75,77.617 v2(43.75,78.65)
  Bottom Layer w0.2: v2(43.75,78.65) 45.4,77 53.825,77 54.975,78.15 80.9,78.15 81.509,77.541 81.509,75.271 CON11.10@82.795,73.985 82.795,72.319 86.314,68.8 89.075,68.8 95.254,62.621 99.804,62.621 100.5,61.925 v4(100.5,58.85)
Port_E2: U9.1
Port_E3: U9.2
Port_E4: CON8.1 U9.3 | length 36.2
  Top Layer w0.2: CON8.1@75.185,76.525 76.451,75.26 76.451,72.319 76.871,71.898 88.902,71.898 95.706,65.094 95.706,58.344 96.525,57.525 U9.3@97.875,57.525
Port_E5: CON8.16 U9.4 | length 34.2
  Top Layer w0.2: CON8.16@75.185,73.985 75.185,72.319 76.492,71.012 88.535,71.012 94.82,64.727 94.82,58.664 96.459,57.025 U9.4@97.875,57.025
Port_E6: CON8.2 U9.5 | length 38.4
  Top Layer w0.2: CON8.2@72.645,76.525 73.911,75.26 73.911,72.319 76.112,70.117 88.164,70.117 93.925,64.356 93.925,58.994 96.394,56.525 U9.5@97.875,56.525
Port_E7: CON4.5 CON9.5 D16.1 U9.58 | length 65.1
  Top Layer w0.2: CON9.5@100.575,25.225 100.575,26.805 106.145,32.375 108.829,32.375 110.25,33.796 U9.58@110.25,39.15 ; v1(127.925,27.35) 127.925,27.488 127.55,27.863 127.55,32.05 129.375,33.875 132.449,33.875 CON4.5@134.3,32.024
  Top Layer w0.254: D16.1@131.247,32.024 CON4.5@134.3,32.024
  Bottom Layer w0.2: CON9.5@100.575,25.225 102.075,26.725 104.3,26.725 106.325,28.75 126.525,28.75 v1(127.925,27.35)
Port_E8: CON4.4 CON9.13 D17.1 U9.59 | length 66
  Top Layer w0.2: CON9.13@103.115,22.685 101.861,23.939 101.861,26.841 106.895,31.875 109.036,31.875 110.75,33.589 U9.59@110.75,39.15 ; v1(126.677,27.36) 126.677,27.488 127.052,27.863 127.052,32.256 129.169,34.373 132.449,34.373 CON4.4@134.3,36.224
  Top Layer w0.254: D17.1@131.247,36.224 CON4.4@134.3,36.224
  Bottom Layer w0.2: CON9.13@103.115,22.685 104.369,23.939 104.369,25.712 106.641,27.985 126.052,27.985 v1(126.677,27.36)
Port_E9: CON9.4 U9.60 | length 18.2
  Top Layer w0.2: CON9.4@103.115,25.225 103.115,26.805 107.685,31.375 109.243,31.375 111.25,33.382 U9.60@111.25,39.15
Port_E10: CON9.14 U9.63 | length 22.1
  Top Layer w0.2: CON9.14@105.655,22.685 104.401,23.939 104.401,26.841 108.36,30.8 111.179,30.8 112.75,32.37 U9.63@112.75,39.15
Port_E11: CON9.3 U9.64 | length 18.4
  Top Layer w0.2: CON9.3@105.655,25.225 105.655,26.805 109.15,30.3 111.387,30.3 113.25,32.163 U9.64@113.25,39.15
Port_E12: CON9.15 U9.65 | length 20.8
  Top Layer w0.2: CON9.15@108.195,22.685 106.941,23.939 106.941,26.841 109.9,29.8 111.594,29.8 113.75,31.956 U9.65@113.75,39.15
Port_E13: CON9.2 U9.66 | length 17.1
  Top Layer w0.2: CON9.2@108.195,25.225 108.195,26.805 110.69,29.3 111.801,29.3 114.25,31.749 U9.66@114.25,39.15
Port_E14: CON9.16 U9.67 | length 19.5
  Top Layer w0.2: CON9.16@110.735,22.685 109.481,23.939 109.481,26.841 111.44,28.8 112.008,28.8 114.75,31.542 U9.67@114.75,39.15
Port_E15: CON9.1 U9.68 | length 15.8
  Top Layer w0.2: CON9.1@110.735,25.225 110.735,26.82 115.25,31.335 U9.68@115.25,39.15
Port_F0: CON8.15 U9.10 | length 38.7
  Top Layer w0.2: U9.10@97.875,54.025 99.175,54.025 v4(99.425,54.275)
  Bottom Layer w0.2: CON8.15@72.645,73.985 72.645,72.319 73.214,71.75 81.224,71.75 95.475,57.499 95.475,55.64 96.84,54.275 v4(99.425,54.275)
Port_F1: CON8.3 U9.11 | length 44.1
  Top Layer w0.2: U9.11@97.875,53.525 v4(99.85,53.525)
  Bottom Layer w0.2: CON8.3@70.105,76.525 71.371,75.26 71.371,72.319 72.339,71.35 81.058,71.35 95.075,57.333 95.075,55.475 97.025,53.525 v4(99.85,53.525)
Port_F2: CON8.14 U9.12 | length 41.8
  Top Layer w0.2: U9.12@97.875,53.025 99.175,53.025 v4(99.425,52.775)
  Bottom Layer w0.2: CON8.14@70.105,73.985 70.105,72.319 71.474,70.95 80.892,70.95 94.675,57.167 94.675,55.309 97.209,52.775 v4(99.425,52.775)
Port_F3: J27.2 U9.13 | length 94.7
  Top Layer w0.2: v2(96.325,52.275) 96.575,52.525 U9.13@97.875,52.525
  Top Layer w0.254: J27.2@72.6,52.15 72.6,56.7 70.8,58.5 62.3,58.5 61.3,59.5 61.3,61.2 59.1,63.4 57.7,63.4 56.075,65.025 56.075,70.7 57.125,71.75 73.225,71.75 75.753,69.222 87.794,69.222 88.25,68.766 v2(88.25,67.9)
  Bottom Layer w0.2: v2(88.25,67.9) 88.25,65.359 95.925,57.684 95.925,55.756 96.656,55.025 99.95,55.025 100.675,54.3 100.675,52.625 100.025,51.975 96.625,51.975 v2(96.325,52.275)
Port_F4: J28.2 U9.14 | length 27.1
  Top Layer w0.2: J28.2@89.375,36.45 91.3,36.45 91.95,37.1 95.963,37.1 99.389,40.526 99.389,40.991 101.625,43.227 101.625,50.775 100.375,52.025 U9.14@97.875,52.025
Port_F5: J29.2 U9.15 | length 25
  Top Layer w0.2: J29.2@89.375,37.95 96.248,37.95 98.989,40.692 98.989,41.157 100.983,43.15 100.983,50.57 100.028,51.525 U9.15@97.875,51.525
Port_F6: CON8.4 U9.18 | length 50.2
  Top Layer w0.2: U9.18@97.875,50.025 v4(99.85,50.025)
  Bottom Layer w0.2: CON8.4@67.565,76.525 68.831,75.26 68.831,72.319 70.599,70.55 80.727,70.55 94.275,57.002 94.275,51.45 95.7,50.025 v4(99.85,50.025)
Port_F7: CON8.13 U9.19 | length 48
  Top Layer w0.2: U9.19@97.875,49.525 99.175,49.525 v4(99.425,49.275)
  Bottom Layer w0.2: CON8.13@67.565,73.985 67.565,72.319 69.734,70.15 80.561,70.15 93.875,56.836 93.875,51.284 95.534,49.625 99.075,49.625 v4(99.425,49.275)
Port_F8: CON8.5 U9.20 | length 49.4
  Top Layer w0.2: v2(96.325,48.775) 96.575,49.025 U9.20@97.875,49.025
  Bottom Layer w0.2: CON8.5@65.025,76.525 66.291,75.26 66.291,72.319 68.859,69.75 80.395,69.75 93.475,56.67 93.475,51.119 95.819,48.775 v2(96.325,48.775)
Port_F9: CON8.12 U9.21 | length 52.3
  Top Layer w0.2: U9.21@97.875,48.525 v4(99.85,48.525)
  Bottom Layer w0.2: CON8.12@65.025,73.985 65.025,72.319 67.994,69.35 80.23,69.35 93.075,56.505 93.075,50.85 96.204,47.721 97.276,47.721 98.08,48.525 v4(99.85,48.525)
Port_F10: CON8.6 U9.22 | length 55.9
  Top Layer w0.2: U9.22@97.875,48.025 99.175,48.025 v4(99.425,47.775)
  Bottom Layer w0.2: CON8.6@62.485,76.525 63.751,75.26 63.751,72.319 67.119,68.95 80.064,68.95 92.675,56.339 92.675,50.684 96.038,47.321 98.971,47.321 v4(99.425,47.775)
Port_F11: C68.2 R100.1 U9.49 | length 68.5
  Top Layer w0.2: U9.49@105.75,39.15 105.75,35.66 104.965,34.875 103.438,34.875 95.965,27.402 91.899,27.402 90.702,26.205 90.702,20.514 89.477,19.289 89.477,13.075 91.879,10.673 116,10.673 116.673,10 C68.2@116.673,8.975 R100.1@119.548,8.975
Port_F12: C67.2 R98.1 U9.50 | length 80.8
  Top Layer w0.2: U9.50@106.25,39.15 106.25,35.453 105.172,34.375 103.4,34.375 96.1,27.075 92.034,27.075 91.029,26.07 91.029,20.379 89.804,19.154 89.804,13.21 92.014,11 116.175,11 116.829,10.346 128.851,10.346 129.197,10 C67.2@129.197,8.975 R98.1@132.072,8.975
Port_F13: CON9.11 U9.53 | length 23.3
  Top Layer w0.2: CON9.11@98.035,22.685 96.781,23.939 96.781,26.841 103.815,33.875 106.793,33.875 107.75,34.832 U9.53@107.75,39.15
Port_F14: CON9.6 U9.54 | length 19.6
  Top Layer w0.2: CON9.6@98.035,25.225 98.035,26.805 104.605,33.375 107.001,33.375 108.25,34.624 U9.54@108.25,39.15
Port_F15: CON9.12 U9.55 | length 22
  Top Layer w0.2: CON9.12@100.575,22.685 99.321,23.939 99.321,26.841 105.355,32.875 107.208,32.875 108.75,34.417 U9.55@108.75,39.15
Port_G0: J31.1 U9.56 | length 28.3
  Top Layer w0.2: J31.1@89.375,40.95 91.3,40.95 91.95,40.3 v1(94.2,40.3) ; v4(109,40.7) 109.25,40.45 U9.56@109.25,39.15
  Bottom Layer w0.2: v1(94.2,40.3) 96.1,38.4 96.1,36.85 96.875,36.075 108.05,36.075 109,37.025 v4(109,40.7)
Port_G1: J30.1 U9.57 | length 28.7
  Top Layer w0.2: J30.1@89.375,39.45 91.3,39.45 91.95,38.8 v1(94.2,38.8) ; U9.57@109.75,39.15 109.75,40.45 v4(110,40.7)
  Bottom Layer w0.2: v1(94.2,38.8) 95.5,37.5 95.5,36.601 96.626,35.475 108.35,35.475 110,37.125 v4(110,40.7)
Port_G2: R76.1 U9.87 | length 56.8
  Top Layer w0.2: R76.1@95.175,16.05 95.175,17.382 98.018,20.225 111.206,20.225 112.65,21.669 112.65,24.143 121.704,33.197 122.9,33.197 124.525,34.821 124.525,46 122.5,48.025 U9.87@119.125,48.025
Port_G3: R77.1 U9.88 | length 55.1
  Top Layer w0.2: R77.1@98.175,16.05 98.175,17.382 100.618,19.825 111.372,19.825 113.05,21.503 113.05,23.836 121.911,32.697 123.107,32.697 125.025,34.614 125.025,46.207 122.707,48.525 U9.88@119.125,48.525
Port_G4: R78.1 U9.89 | length 53.5
  Top Layer w0.2: R78.1@101.175,16.05 101.175,17.382 103.168,19.375 111.487,19.375 113.45,21.338 113.45,23.528 122.118,32.197 123.314,32.197 125.525,34.407 125.525,46.414 122.914,49.025 U9.89@119.125,49.025
Port_G5: R79.1 U9.90 | length 51.9
  Top Layer w0.2: R79.1@104.175,16.05 104.175,17.382 105.768,18.975 111.653,18.975 113.85,21.172 113.85,23.221 122.325,31.697 123.522,31.697 126.025,34.2 126.025,46.621 123.121,49.525 U9.90@119.125,49.525
Port_G6: R80.1 U9.91 | length 50.2
  Top Layer w0.2: R80.1@107.175,16.05 107.175,17.382 108.368,18.575 111.819,18.575 114.25,21.006 114.25,22.914 122.532,31.197 123.729,31.197 126.525,33.993 126.525,46.828 123.328,50.025 U9.91@119.125,50.025
Port_G7: R81.1 U9.92 | length 48.8
  Top Layer w0.2: R81.1@110.175,16.05 110.175,17.725 110.625,18.175 111.984,18.175 114.65,20.841 114.65,22.607 122.739,30.697 123.936,30.697 127.025,33.786 127.025,47.036 123.536,50.525 U9.92@119.125,50.525
Port_G8: R82.1 U9.93 | length 47.8
  Top Layer w0.2: R82.1@113.175,16.05 113.175,18.8 115.05,20.675 115.05,22.3 122.947,30.197 124.143,30.197 127.525,33.579 127.525,47.243 123.743,51.025 U9.93@119.125,51.025
Port_G9: CON11.14 U9.124 | length 27.1
  Top Layer w0.2: CON11.14@92.955,73.985 92.955,72.319 97.463,67.811 108.611,67.811 109.75,66.672 U9.124@109.75,60.4
Port_G10: CON11.4 U9.125 | length 30.7
  Top Layer w0.2: CON11.4@90.415,76.525 91.68,75.26 91.68,72.319 96.856,67.143 108.335,67.143 109.25,66.228 U9.125@109.25,60.4
Port_G11: CON11.13 U9.126 | length 28.1
  Top Layer w0.2: CON11.13@90.415,73.985 90.415,72.319 96.259,66.475 108.058,66.475 108.75,65.783 U9.126@108.75,60.4
Port_G12: CON10.6 U9.127 | length 18.8
  Top Layer w0.2: v2(108,61.95) 108.25,61.7 U9.127@108.25,60.4
  Bottom Layer w0.2: v2(108,61.95) 109.925,63.875 109.925,69.313 106.93,72.308 106.93,75.25 CON10.6@108.195,76.515